# KiCad board version0.65.kicad_pcb
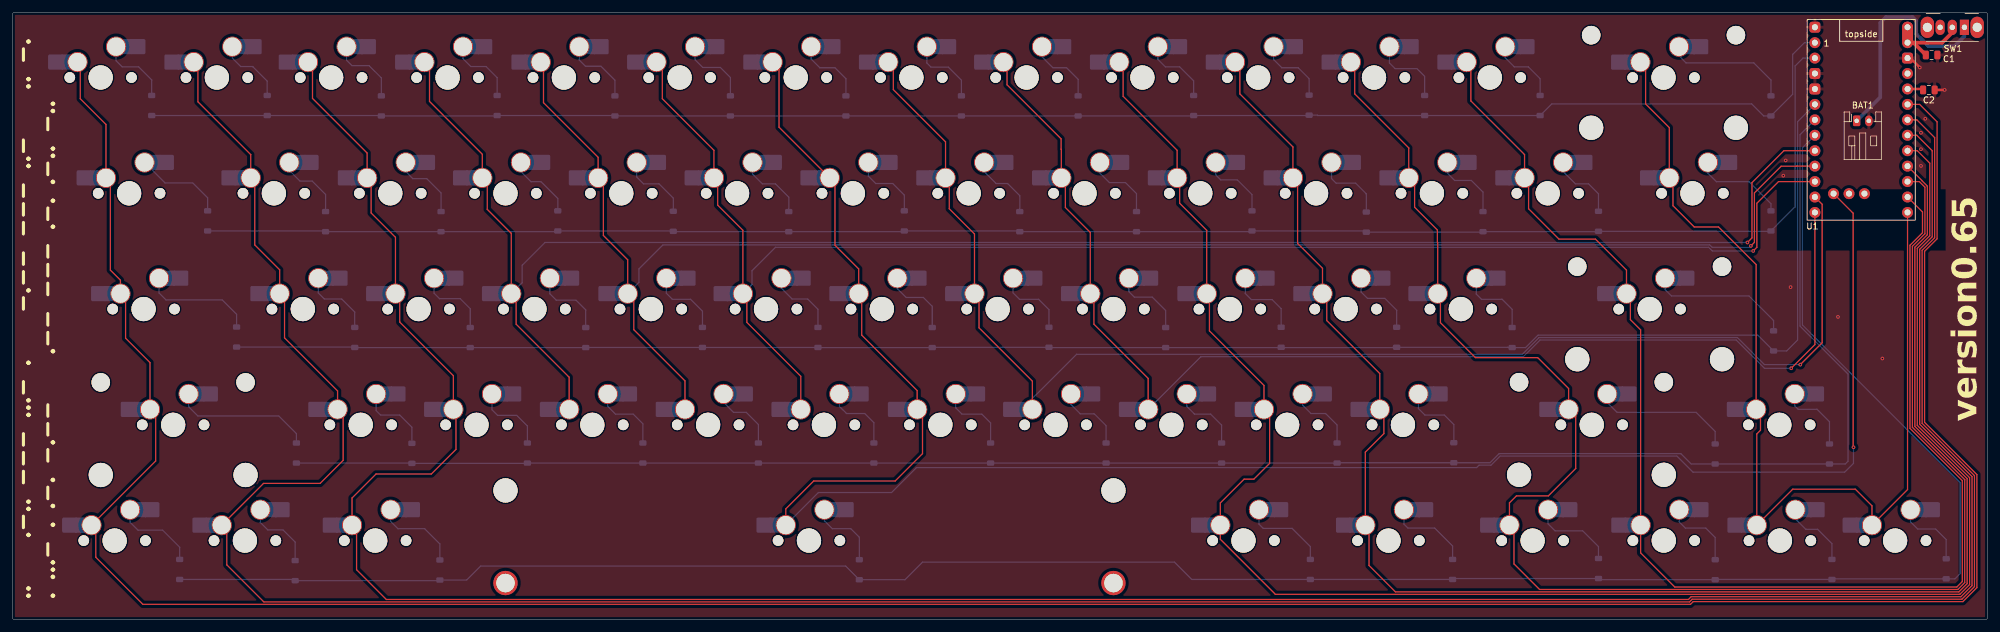
[diagram p0: board, top side]
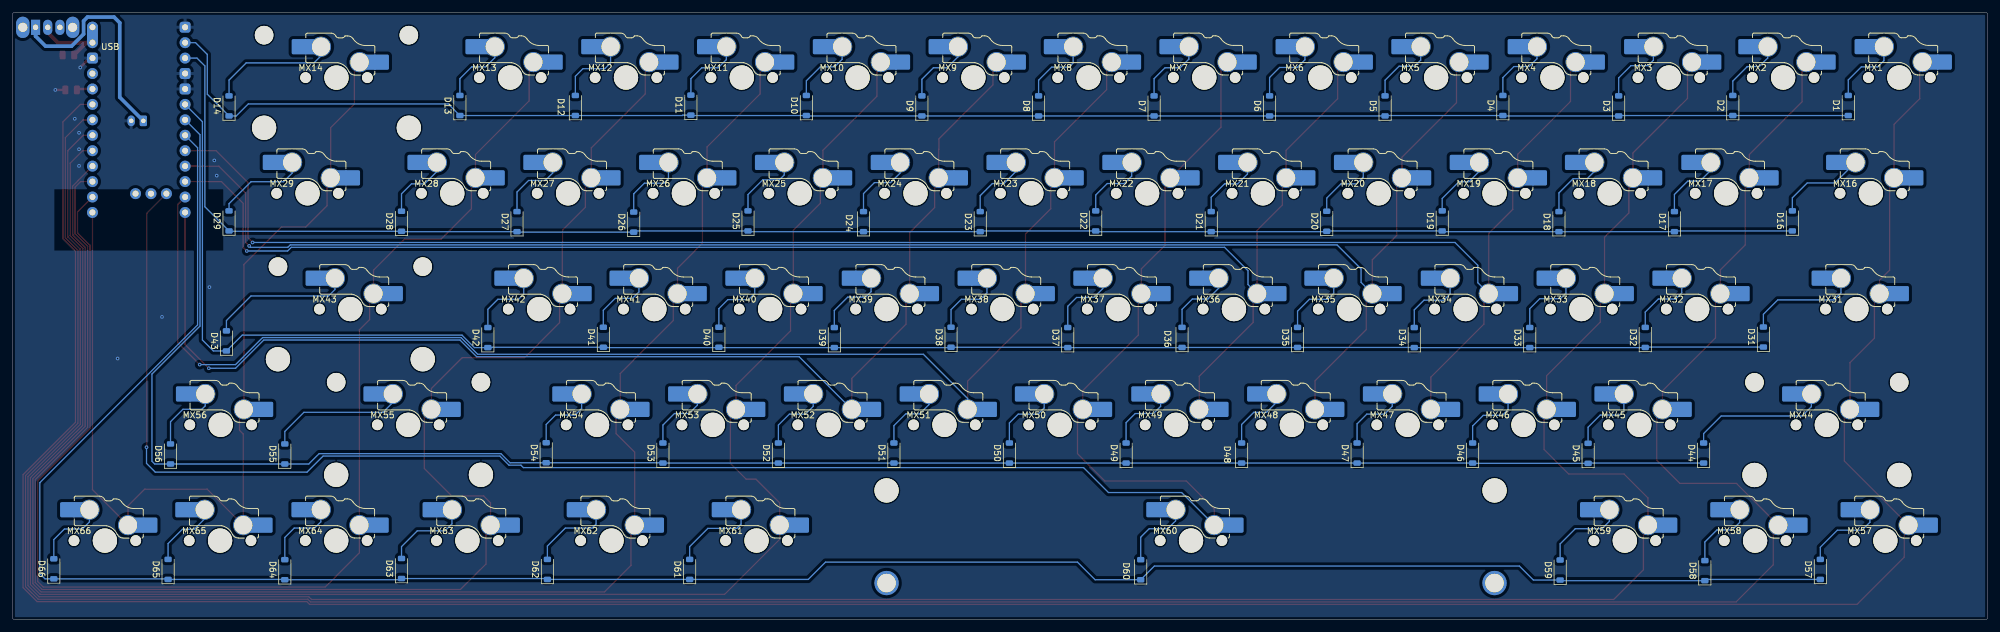
[diagram p1: board, bottom side, seen from below]

Outline 325 x 100 mm; copper layers: Top, Bottom. Coordinates in mm from the lower left corner of the outline.
Outline path: rectangle 0,100 325,0
Stack: Top 0.035mm / dielectric 1.51mm FR4 er 4.5 / Bottom 0.035mm

## Placement (name value [footprint] x y rotation side)
BAT1  GND  [JST_PH_S2B-PH-K_1x02_P2.00mm_Horizontal]  303.43 82.12 0 top
C1  10uF  [C_0805_2012Metric]  315.76 92.95 180 top
C2  100nF  [C_0805_2012Metric]  315.31 87.2 180 top
D1  1N4148W  [D_SOD-123]  22.96 84.64 90 bottom
D2  1N4148W  [D_SOD-123]  41.96 84.64 90 bottom
D3  1N4148W  [D_SOD-123]  60.73 84.57 90 bottom
D4  1N4148W  [D_SOD-123]  79.78 84.64 90 bottom
D5  1N4148W  [D_SOD-123]  99.16 84.57 90 bottom
D6  1N4148W  [D_SOD-123]  118.16 84.57 90 bottom
D7  1N4148W  [D_SOD-123]  137.16 84.57 90 bottom
D8  1N4148W  [D_SOD-123]  156.16 84.57 90 bottom
D9  1N4148W  [D_SOD-123]  175.36 84.57 90 bottom
D10  1N4148W  [D_SOD-123]  194.36 84.64 90 bottom
D11  1N4148W  [D_SOD-123]  213.36 84.7 90 bottom
D12  1N4148W  [D_SOD-123]  232.36 84.64 90 bottom
D13  1N4148W  [D_SOD-123]  251.36 84.64 90 bottom
D14  1N4148W  [D_SOD-123]  289.33 84.57 90 bottom
D16  1N4148W  [D_SOD-123]  32.16 65.65 90 bottom
D17  1N4148W  [D_SOD-123]  51.56 65.52 90 bottom
D18  1N4148W  [D_SOD-123]  70.56 65.52 90 bottom
D19  1N4148W  [D_SOD-123]  89.76 65.65 90 bottom
D20  1N4148W  [D_SOD-123]  108.76 65.59 90 bottom
D21  1N4148W  [D_SOD-123]  127.76 65.52 90 bottom
D22  1N4148W  [D_SOD-123]  146.76 65.65 90 bottom
D23  1N4148W  [D_SOD-123]  165.76 65.52 90 bottom
D24  1N4148W  [D_SOD-123]  184.96 65.52 90 bottom
D25  1N4148W  [D_SOD-123]  203.96 65.65 90 bottom
D26  1N4148W  [D_SOD-123]  222.76 65.45 90 bottom
D27  1N4148W  [D_SOD-123]  241.96 65.52 90 bottom
D28  1N4148W  [D_SOD-123]  260.96 65.59 90 bottom
D29  1N4148W  [D_SOD-123]  289.33 65.65 90 bottom
D31  1N4148W  [D_SOD-123]  36.92 46.54 90 bottom
D32  1N4148W  [D_SOD-123]  56.36 46.47 90 bottom
D33  1N4148W  [D_SOD-123]  75.36 46.45 90 bottom
D34  1N4148W  [D_SOD-123]  94.36 46.45 90 bottom
D35  1N4148W  [D_SOD-123]  113.56 46.47 90 bottom
D36  1N4148W  [D_SOD-123]  132.56 46.47 90 bottom
D37  1N4148W  [D_SOD-123]  151.36 46.45 90 bottom
D38  1N4148W  [D_SOD-123]  170.56 46.5 90 bottom
D39  1N4148W  [D_SOD-123]  189.76 46.45 90 bottom
D40  1N4148W  [D_SOD-123]  208.76 46.5 90 bottom
D41  1N4148W  [D_SOD-123]  227.76 46.5 90 bottom
D42  1N4148W  [D_SOD-123]  246.76 46.45 90 bottom
D43  1N4148W  [D_SOD-123]  289.76 45.9 90 bottom
D44  1N4148W  [D_SOD-123]  46.76 27.45 90 bottom
D45  1N4148W  [D_SOD-123]  65.76 27.4 90 bottom
D46  1N4148W  [D_SOD-123]  84.76 27.45 90 bottom
D47  1N4148W  [D_SOD-123]  103.76 27.45 90 bottom
D48  1N4148W  [D_SOD-123]  122.76 27.45 90 bottom
D49  1N4148W  [D_SOD-123]  141.76 27.45 90 bottom
D50  1N4148W  [D_SOD-123]  160.96 27.45 90 bottom
D51  1N4148W  [D_SOD-123]  179.96 27.45 90 bottom
D52  1N4148W  [D_SOD-123]  198.96 27.45 90 bottom
D53  1N4148W  [D_SOD-123]  217.96 27.45 90 bottom
D54  1N4148W  [D_SOD-123]  237.16 27.5 90 bottom
D55  1N4148W  [D_SOD-123]  280.16 27.3 90 bottom
D56  1N4148W  [D_SOD-123]  298.96 27.3 90 bottom
D57  1N4148W  [D_SOD-123]  27.56 8.3 90 bottom
D58  1N4148W  [D_SOD-123]  46.56 8.1 90 bottom
D59  1N4148W  [D_SOD-123]  70.36 8.2 90 bottom
D60  1N4148W  [D_SOD-123]  139.36 8.25 90 bottom
D61  1N4148W  [D_SOD-123]  213.56 8.3 90 bottom
D62  1N4148W  [D_SOD-123]  236.96 8.3 90 bottom
D63  1N4148W  [D_SOD-123]  260.96 8.45 90 bottom
D64  1N4148W  [D_SOD-123]  280.16 8.25 90 bottom
D65  1N4148W  [D_SOD-123]  299.36 8.3 90 bottom
D66  1N4148W  [D_SOD-123]  318.16 8.4 90 bottom
MX1  MX_SW_HS  [SW_MX_HS_KS-2P02B01-01_1u]  14.56 89.25 180 bottom
MX2  MX_SW_HS  [SW_MX_HS_KS-2P02B01-01_1u]  33.68 89.24 180 bottom
MX3  MX_SW_HS  [SW_MX_HS_KS-2P02B01-01_1u]  52.48 89.24 180 bottom
MX4  MX_SW_HS  [SW_MX_HS_KS-2P02B01-01_1u]  71.63 89.24 180 bottom
MX5  MX_SW_HS  [SW_MX_HS_KS-2P02B01-01_1u]  90.76 89.24 180 bottom
MX6  MX_SW_HS  [SW_MX_HS_KS-2P02B01-01_1u]  109.8 89.24 180 bottom
MX7  MX_SW_HS  [SW_MX_HS_KS-2P02B01-01_1u]  128.9 89.24 180 bottom
MX8  MX_SW_HS  [SW_MX_HS_KS-2P02B01-01_1u]  147.93 89.24 180 bottom
MX9  MX_SW_HS  [SW_MX_HS_KS-2P02B01-01_1u]  166.88 89.24 180 bottom
MX10  MX_SW_HS  [SW_MX_HS_KS-2P02B01-01_1u]  185.93 89.24 180 bottom
MX11  MX_SW_HS  [SW_MX_HS_KS-2P02B01-01_1u]  204.98 89.24 180 bottom
MX12  MX_SW_HS  [SW_MX_HS_KS-2P02B01-01_1u]  224.03 89.24 180 bottom
MX13  MX_SW_HS  [SW_MX_HS_KS-2P02B01-01_1u]  243.08 89.24 180 bottom
MX14  MX_SW_HS  [SW_MX_HS_KS-2P02B01-01_1u]  271.66 89.23 180 bottom
MX16  MX_SW_HS  [SW_MX_HS_KS-2P02B01-01_1.5u]  19.24 70.19 180 bottom
MX17  MX_SW_HS  [SW_MX_HS_KS-2P02B01-01_1u]  43.05 70.19 180 bottom
MX18  MX_SW_HS  [SW_MX_HS_KS-2P02B01-01_1u]  62.2 70.19 180 bottom
MX19  MX_SW_HS  [SW_MX_HS_KS-2P02B01-01_1u]  81.15 70.19 180 bottom
MX20  MX_SW_HS  [SW_MX_HS_KS-2P02B01-01_1u]  100.2 70.19 180 bottom
MX21  MX_SW_HS  [SW_MX_HS_KS-2P02B01-01_1u]  119.25 70.19 180 bottom
MX22  MX_SW_HS  [SW_MX_HS_KS-2P02B01-01_1u]  138.3 70.19 180 bottom
MX23  MX_SW_HS  [SW_MX_HS_KS-2P02B01-01_1u]  157.35 70.19 180 bottom
MX24  MX_SW_HS  [SW_MX_HS_KS-2P02B01-01_1u]  176.4 70.19 180 bottom
MX25  MX_SW_HS  [SW_MX_HS_KS-2P02B01-01_1u]  195.45 70.19 180 bottom
MX26  MX_SW_HS  [SW_MX_HS_KS-2P02B01-01_1u]  214.5 70.19 180 bottom
MX27  MX_SW_HS  [SW_MX_HS_KS-2P02B01-01_1u]  233.55 70.19 180 bottom
MX28  MX_SW_HS  [SW_MX_HS_KS-2P02B01-01_1u]  252.6 70.19 180 bottom
MX29  MX_SW_HS  [SW_MX_HS_KS-2P02B01-01_1.5u]  276.42 70.19 180 bottom
MX31  MX_SW_HS  [SW_MX_HS_KS-2P02B01-01_1.75u]  21.62 51.14 180 bottom
MX32  MX_SW_HS  [SW_MX_HS_KS-2P02B01-01_1u]  47.82 51.14 180 bottom
MX33  MX_SW_HS  [SW_MX_HS_KS-2P02B01-01_1u]  66.87 51.14 180 bottom
MX34  MX_SW_HS  [SW_MX_HS_KS-2P02B01-01_1u]  85.92 51.14 180 bottom
MX35  MX_SW_HS  [SW_MX_HS_KS-2P02B01-01_1u]  105.07 51.14 180 bottom
MX36  MX_SW_HS  [SW_MX_HS_KS-2P02B01-01_1u]  124.02 51.14 180 bottom
MX37  MX_SW_HS  [SW_MX_HS_KS-2P02B01-01_1u]  143.07 51.14 180 bottom
MX38  MX_SW_HS  [SW_MX_HS_KS-2P02B01-01_1u]  162.12 51.14 180 bottom
MX39  MX_SW_HS  [SW_MX_HS_KS-2P02B01-01_1u]  181.17 51.14 180 bottom
MX40  MX_SW_HS  [SW_MX_HS_KS-2P02B01-01_1u]  200.32 51.14 180 bottom
MX41  MX_SW_HS  [SW_MX_HS_KS-2P02B01-01_1u]  219.37 51.14 180 bottom
MX42  MX_SW_HS  [SW_MX_HS_KS-2P02B01-01_1u]  238.32 51.14 180 bottom
MX43  MX_SW_HS  [SW_MX_HS_KS-2P02B01-01_1u]  269.37 51.14 180 bottom
MX44  MX_SW_HS  [SW_MX_HS_KS-2P02B01-01_1u]  26.49 32.09 180 bottom
MX45  MX_SW_HS  [SW_MX_HS_KS-2P02B01-01_1u]  57.34 32.09 180 bottom
MX46  MX_SW_HS  [SW_MX_HS_KS-2P02B01-01_1u]  76.39 32.09 180 bottom
MX47  MX_SW_HS  [SW_MX_HS_KS-2P02B01-01_1u]  95.44 32.09 180 bottom
MX48  MX_SW_HS  [SW_MX_HS_KS-2P02B01-01_1u]  114.49 32.09 180 bottom
MX49  MX_SW_HS  [SW_MX_HS_KS-2P02B01-01_1u]  133.54 32.09 180 bottom
MX50  MX_SW_HS  [SW_MX_HS_KS-2P02B01-01_1u]  152.69 32.09 180 bottom
MX51  MX_SW_HS  [SW_MX_HS_KS-2P02B01-01_1u]  171.64 32.09 180 bottom
MX52  MX_SW_HS  [SW_MX_HS_KS-2P02B01-01_1u]  190.69 32.09 180 bottom
MX53  MX_SW_HS  [SW_MX_HS_KS-2P02B01-01_1u]  209.74 32.09 180 bottom
MX54  MX_SW_HS  [SW_MX_HS_KS-2P02B01-01_1u]  228.79 32.09 180 bottom
MX55  MX_SW_HS  [SW_MX_HS_KS-2P02B01-01_1u]  259.85 32.09 180 bottom
MX56  MX_SW_HS  [SW_MX_HS_KS-2P02B01-01_1u]  290.7 32.09 180 bottom
MX57  MX_SW_HS  [SW_MX_HS_KS-2P02B01-01_1.25u]  16.86 13.04 180 bottom
MX58  MX_SW_HS  [SW_MX_HS_KS-2P02B01-01_1u]  38.29 13.04 180 bottom
MX59  MX_SW_HS  [SW_MX_HS_KS-2P02B01-01_1.25u]  59.72 13.04 180 bottom
MX60  MX_SW_HS  [SW_MX_HS_KS-2P02B01-01_1u]  131.08 13.05 180 bottom
MX61  MX_SW_HS  [SW_MX_HS_KS-2P02B01-01_1.25u]  202.56 13.05 180 bottom
MX62  MX_SW_HS  [SW_MX_HS_KS-2P02B01-01_1.25u]  226.41 13.04 180 bottom
MX63  MX_SW_HS  [SW_MX_HS_KS-2P02B01-01_1.25u]  250.12 13.04 180 bottom
MX64  MX_SW_HS  [SW_MX_HS_KS-2P02B01-01_1u]  271.7 13.05 180 bottom
MX65  MX_SW_HS  [SW_MX_HS_KS-2P02B01-01_1u]  290.8 13.04 180 bottom
MX66  MX_SW_HS  [SW_MX_HS_KS-2P02B01-01_1u]  309.75 13.04 180 bottom
S1  Space  [STAB_MX_P_6.25u]  131.16 13.04 0 bottom
S2  Backspace  [STAB_MX_2u]  271.66 89.23 0 top
S3  Enter  [STAB_MX_2.25u]  269.37 51.14 0 top
S4  Shift  [STAB_MX_2.25u]  26.49 32.09 0 top
S5  Shift  [STAB_MX_2.25u]  259.8 32.12 0 top
SW1  SW_SPDT  [SW_Slide_SPDT_Angled_CK_OS102011MA1Q]  321.16 97.5 180 top
U1  SuperMini nRF52840  [SuperMini_nRF52840_AH_USBup]  304.18 81.01 0 top

## Library data of the parts
BAT1 = -: Description: Generic connector, single row, 01x02, script generated; KiLib_Generator: connector/JST; ki_fp_filters: Connector*:*_1x??_*
C1 C2 = -: Description: Unpolarized capacitor; KiLib_Generator: SMD_2terminal_chip_molded; ki_fp_filters: C_*
D1-D14 D16-D29 D31-D66 = -: Datasheet: https://www.vishay.com/docs/85748/1n4148w.pdf; Description: 75V 0.15A Fast Switching Diode, SOD-123; Sim.Device: D; Sim.Pins: 1=K 2=A; ki_fp_filters: D*SOD?123*
MX1-MX14 MX16-MX29 MX31-MX66 = -: Description: Push button switch, normally open, two pins, 45° tilted, Gateron KS-2P02B01-01 for Cherry MX style switches
S1-S5 = -: Description: Cherry MX-style stabilizer
SW1 = -: Description: Switch, single pole double throw
U1 = -: Datasheet: https://wiki.icbbuy.com/doku.php?id=developmentboard:nrf52840; Description: Symbol for an nicekeyboards nice!nano

## Footprints (pads in the part's own frame, mm; a bottom-side part is the same pattern mirrored in y, then rotated)
C_0805_2012Metric
  rrect 1x1.45 smd: 1(-0.95,0) 2(0.95,0)
D_SOD-123
  rrect 0.9x1.2 smd: 1(-1.65,0) 2(1.65,0)
JST_PH_S2B-PH-K_1x02_P2.00mm_Horizontal
  rrect 1.2x1.75 hole 0.75: 1(0,0)
  oval 1.2x1.75 hole 0.75: 2(2,0)
STAB_MX_2.25u
  round 3.048 hole 3.048 unplated: (-11.906,6.985) (11.906,6.985)
  round 3.988 hole 3.988 unplated: (-11.906,-8.255) (11.906,-8.255)
STAB_MX_2u
  round 3.048 hole 3.048 unplated: (-11.906,6.985) (11.906,6.985)
  round 3.988 hole 3.988 unplated: (-11.906,-8.255) (11.906,-8.255)
STAB_MX_P_6.25u
  round 3.988 hole 3.988 unplated: (-50.006,-8.255) (50.006,-8.255)
  round 4 hole 3.048: (-50.006,6.985) (50.006,6.985)
SuperMini_nRF52840_AH_USBup
  round 1.8 hole 1: 1(-7.62,13.97) 2(-7.62,11.43) 5(-7.62,3.81) 6(-7.62,1.27) 7(-7.62,-1.27) 8(-7.62,-3.81) 9(-7.62,-6.35) 10(-7.62,-8.89) 11(-7.62,-11.43) 12(-7.62,-13.97) 15(7.62,8.89) 16(7.62,6.35) 17(7.62,3.81) 18(7.62,1.27) 19(7.62,-1.27) 20(7.62,-3.81) 21(7.62,-6.35) 22(7.62,-8.89) 23(7.62,-11.43) 24(7.62,-13.97) 25(-4.547,-10.876) 26(-2.007,-10.876) 27(0.533,-10.876) 29(7.62,16.51)
  rrect 1.8x1.8 hole 1: 3(-7.62,8.89) 4(-7.62,6.35) 14(7.62,11.43) 28(-7.62,16.51)
  oval 1.8x4.34 hole 1: 13(7.62,13.97)
SW_MX_HS_KS-2P02B01-01_1.5u
  round 1.75 hole 1.75 unplated: (-5.08,0) (5.08,0)
  round 3.988 hole 3.988 unplated: (0,0)
  round 3.3 hole 3: 1(3.81,2.54) 2(-2.54,5.08)
  rect 1.65x2.5 smd: 1(5.635,2.54) 2(-4.34,5.08)
  rrect 2.55x2.5 smd: 1(7.36,2.54) 2(-6.09,5.08)
SW_MX_HS_KS-2P02B01-01_1.25u
  round 1.75 hole 1.75 unplated: (-5.08,0) (5.08,0)
  round 3.988 hole 3.988 unplated: (0,0)
  round 3.3 hole 3: 1(3.81,2.54) 2(-2.54,5.08)
  rect 1.65x2.5 smd: 1(5.635,2.54) 2(-4.34,5.08)
  rrect 2.55x2.5 smd: 1(7.36,2.54) 2(-6.09,5.08)
SW_MX_HS_KS-2P02B01-01_1.75u
  round 1.75 hole 1.75 unplated: (-5.08,0) (5.08,0)
  round 3.988 hole 3.988 unplated: (0,0)
  round 3.3 hole 3: 1(3.81,2.54) 2(-2.54,5.08)
  rect 1.65x2.5 smd: 1(5.635,2.54) 2(-4.34,5.08)
  rrect 2.55x2.5 smd: 1(7.36,2.54) 2(-6.09,5.08)
SW_MX_HS_KS-2P02B01-01_1u
  round 1.75 hole 1.75 unplated: (-5.08,0) (5.08,0)
  round 3.988 hole 3.988 unplated: (0,0)
  round 3.3 hole 3: 1(3.81,2.54) 2(-2.54,5.08)
  rect 1.65x2.5 smd: 1(5.635,2.54) 2(-4.34,5.08)
  rrect 2.55x2.5 smd: 1(7.36,2.54) 2(-6.09,5.08)
SW_Slide_SPDT_Angled_CK_OS102011MA1Q
  oval 2.2x3.5 hole 1.5: (-2.1,0) (6.1,0)
  rect 1.5x2.5 hole 0.9: 1(0,0)
  oval 1.5x2.5 hole 0.9: 2(2,0) 3(4,0)

## Nets
/VBAT_SW: C1.2 SW1.2 U1.13 U1.29
GND: BAT1.2 C1.1 C2.1 U1.3 U1.4 U1.14 U1.28
+BATT: BAT1.1 SW1.1
COL0: MX1.1 MX16.1 MX31.1 MX44.1 MX57.1 U1.17
COL1: MX2.1 MX17.1 MX32.1 MX45.1 MX58.1 U1.18
COL2: MX3.1 MX18.1 MX33.1 MX46.1 MX59.1 U1.19
COL3: MX4.1 MX19.1 MX34.1 MX47.1 U1.8
COL4: MX5.1 MX20.1 MX35.1 MX48.1 U1.9
COL5: MX6.1 MX21.1 MX36.1 MX49.1 U1.10
COL6: MX7.1 MX22.1 MX37.1 MX50.1 MX60.1 U1.25
COL7: MX8.1 MX23.1 MX38.1 MX51.1 U1.11
COL8: MX9.1 MX24.1 MX39.1 MX52.1 U1.12
COL9: MX10.1 MX25.1 MX40.1 MX53.1 MX61.1 U1.20
COL10: MX11.1 MX26.1 MX41.1 MX54.1 MX62.1 U1.21
COL11: MX12.1 MX27.1 MX42.1 MX55.1 MX63.1 U1.22
COL12: MX13.1 MX28.1 MX43.1 MX64.1 U1.23
COL13: MX14.1 MX29.1 MX56.1 MX65.1 MX66.1 U1.24
ROW0: D1.1 D2.1 D3.1 D4.1 D5.1 D6.1 D7.1 D8.1 D9.1 D10.1 D11.1 D12.1 D13.1 D14.1 U1.1
ROW1: D16.1 D17.1 D18.1 D19.1 D20.1 D21.1 D22.1 D23.1 D24.1 D25.1 D26.1 D27.1 D28.1 D29.1 U1.2
ROW2: D31.1 D32.1 D33.1 D34.1 D35.1 D36.1 D37.1 D38.1 D39.1 D40.1 D41.1 D42.1 D43.1 U1.5
ROW3: D44.1 D45.1 D46.1 D47.1 D48.1 D49.1 D50.1 D51.1 D52.1 D53.1 D54.1 D55.1 D56.1 U1.6
ROW4: D57.1 D58.1 D59.1 D60.1 D61.1 D62.1 D63.1 D64.1 D65.1 D66.1 U1.7
Net-(D1-A): D1.2 MX1.2
Net-(D2-A): D2.2 MX2.2
Net-(D3-A): D3.2 MX3.2
Net-(D4-A): D4.2 MX4.2
Net-(D5-A): D5.2 MX5.2
Net-(D6-A): D6.2 MX6.2
Net-(D7-A): D7.2 MX7.2
Net-(D8-A): D8.2 MX8.2
Net-(D9-A): D9.2 MX9.2
Net-(D10-A): D10.2 MX10.2
Net-(D11-A): D11.2 MX11.2
Net-(D12-A): D12.2 MX12.2
Net-(D13-A): D13.2 MX13.2
Net-(D14-A): D14.2 MX14.2
Net-(D16-A): D16.2 MX16.2
Net-(D17-A): D17.2 MX17.2
Net-(D18-A): D18.2 MX18.2
Net-(D19-A): D19.2 MX19.2
Net-(D20-A): D20.2 MX20.2
Net-(D21-A): D21.2 MX21.2
Net-(D22-A): D22.2 MX22.2
Net-(D23-A): D23.2 MX23.2
Net-(D24-A): D24.2 MX24.2
Net-(D25-A): D25.2 MX25.2
Net-(D26-A): D26.2 MX26.2
Net-(D27-A): D27.2 MX27.2
Net-(D28-A): D28.2 MX28.2
Net-(D29-A): D29.2 MX29.2
Net-(D31-A): D31.2 MX31.2
Net-(D32-A): D32.2 MX32.2
Net-(D33-A): D33.2 MX33.2
Net-(D34-A): D34.2 MX34.2
Net-(D35-A): D35.2 MX35.2
Net-(D36-A): D36.2 MX36.2
Net-(D37-A): D37.2 MX37.2
Net-(D38-A): D38.2 MX38.2
Net-(D39-A): D39.2 MX39.2
Net-(D40-A): D40.2 MX40.2
Net-(D41-A): D41.2 MX41.2
Net-(D42-A): D42.2 MX42.2
Net-(D43-A): D43.2 MX43.2
Net-(D44-A): D44.2 MX44.2
Net-(D45-A): D45.2 MX45.2
Net-(D46-A): D46.2 MX46.2
Net-(D47-A): D47.2 MX47.2
Net-(D48-A): D48.2 MX48.2
Net-(D49-A): D49.2 MX49.2
Net-(D50-A): D50.2 MX50.2
Net-(D51-A): D51.2 MX51.2
Net-(D52-A): D52.2 MX52.2
Net-(D53-A): D53.2 MX53.2
Net-(D54-A): D54.2 MX54.2
Net-(D55-A): D55.2 MX55.2
Net-(D56-A): D56.2 MX56.2
Net-(D57-A): D57.2 MX57.2
Net-(D58-A): D58.2 MX58.2
Net-(D59-A): D59.2 MX59.2
Net-(D60-A): D60.2 MX60.2
Net-(D61-A): D61.2 MX61.2
Net-(D62-A): D62.2 MX62.2
Net-(D63-A): D63.2 MX63.2
Net-(D64-A): D64.2 MX64.2
Net-(D65-A): D65.2 MX65.2
Net-(D66-A): D66.2 MX66.2
Net-(U1-3V3): C2.2 U1.16

Pads without a net: SW1 3; U1 15 26 27

## Via types
v1: diameter 0.6, hole 0.3, Top to Bottom, 17 vias

## Routing (per net, layer and track width the routed paths; a pad name or vN(x,y) marks a point on that pad's centre or on a via; arc(x,y) is an arc through that point)
/VBAT_SW: length 15.3
  Top w0.6: U1.13 312.78,94.98 C1.2 ; U1.13 U1.29 ; U1.13 317.49,94.98 319.16,96.65 SW1.2
GND: length 4.3
  Top w0.4: v1(313.81,90.9) 312.27,92.44 U1.14 ; C2.1 v1(317.91,87.2)
  vias: v1(291.36,73.1) v1(291.76,75.6) v1(292.56,54.75) v1(300.36,49.85) v1(307.66,43) v1(314.01,80.15) v1(314.01,77.45) v1(314.01,74.7) v1(314.71,82.45)
+BATT: length 37.4
  Bottom w0.6: SW1.1 321.16,96.05 319.51,94.4 315.24,94.4 313.26,96.39 313.26,98.55 312.61,99.2 308.26,99.2 307.31,98.25 307.31,86 BAT1.1
COL0: length 492.4
  Top w0.2: U1.17 313.79,84.82 316.66,81.95 316.66,62.71 314.6,60.65 314.6,32.5 323.21,23.89 323.21,5.31 320.9,3 276.54,3 276.09,2.55 21.51,2.55 13.76,10.3 13.76,14.87 MX57.1 23.61,26.14 23.61,33.7 MX44.1 22.68,42.33 18.66,46.35 18.66,52.84 MX31.1 17.81,55.89 16.16,57.55 16.16,72 MX16.1 15.43,81.53 11.21,85.75 11.21,91.33 MX1.1
COL1: length 482
  Top w0.2: MX2.1 30.56,91.09 30.56,85.25 39.24,76.56 MX17.1 39.91,72.07 39.91,61.7 44.01,57.6 MX32.1 44.81,52.88 44.81,46.4 53.53,37.68 MX45.1 54.46,33.7 54.46,26.25 50.66,22.45 41.35,22.45 MX58.1 35.31,14.75 35.31,9.05 41.41,2.95 275.92,2.95 276.37,3.4 320.73,3.4 322.81,5.47 322.81,23.73 314.2,32.34 314.2,60.81 316.26,62.87 316.26,79.35 313.33,82.28 U1.18
COL2: length 456.2
  Top w0.2: U1.19 313.32,79.74 315.86,77.2 315.86,63.04 313.8,60.98 313.8,32.17 322.41,23.56 322.41,5.64 320.57,3.8 276.21,3.8 275.76,3.35 61.56,3.35 56.66,8.25 56.66,14.84 MX59.1 55.91,20.05 59.86,24 68.96,24 73.01,28.05 73.01,34.2 MX46.1 72.58,40.18 63.76,49 63.76,52.98 MX33.1 63.06,62.95 59.06,66.95 59.06,72.07 MX18.1 58.39,76.81 49.41,85.8 49.41,91.04 MX3.1
COL3: length 298.2
  Top w0.2: MX4.1 68.66,90.94 68.66,85.3 77.34,76.61 MX19.1 78.16,71.92 78.16,67.55 82.11,63.6 MX34.1 82.91,52.88 82.91,48.65 91.63,39.93 MX47.1 ; v1(285.46,62.1) 286.21,62.85 286.21,71.95 291.46,77.2 U1.8
  Bottom w0.2: v1(285.46,62.1) 87.66,62.1 83.91,58.35 83.91,55.48 MX34.1
COL4: length 277.4
  Top w0.2: MX5.1 87.41,91.33 87.41,85.1 96.39,76.11 MX20.1 97.26,71.87 97.26,63.25 101.26,59.25 MX35.1 102.26,52.68 102.26,47.75 110.68,39.33 MX48.1 ; U1.9 293.47,74.66 293.46,74.65 291.01,74.65 286.61,70.25 286.61,62.12 v1(286.02,61.53)
  Bottom w0.2: v1(286.02,61.53) 285.79,61.3 279.66,61.3 279.26,61.7 107.06,61.7 103.11,57.75 103.11,55.53 MX35.1
COL5: length 257
  Top w0.2: v1(286.41,60.7) 287.01,61.3 287.01,68.55 290.58,72.12 U1.10 ; MX49.1 129.73,40.08 120.86,48.95 120.86,53.03 MX36.1 120.21,64.1 116.06,68.25 116.06,72.12 MX21.1 115.44,77.26 106.96,85.75 106.96,90.82 MX6.1
  Bottom w0.2: MX36.1 121.71,55.18 121.71,57.45 125.56,61.3 279.09,61.3 279.69,60.7 v1(286.41,60.7)
COL6: length 331.4
  Top w0.2: U1.25 302.86,66.91 302.86,28.45 v1(302.91,28.4) ; MX60.1 127.27,18.26 131.86,22.85 145.26,22.85 149.76,27.35 149.76,33.76 MX50.1 148.88,37.72 139.76,46.85 139.76,53.18 MX37.1 139.26,57.75 135.36,61.65 135.36,71.87 MX22.1 126.16,81.07 126.16,90.72 MX7.1
  Bottom w0.2: v1(302.91,28.4) 302.91,25.75 301.46,24.3 276.51,24.3 273.86,26.95 244.77,26.95 243.27,25.45 241.31,25.45 240.91,25.05 148.76,25.05 144.66,20.95 132.63,20.95 MX60.1
COL7: length 230.7
  Top w0.2: v1(294.16,42) 297.76,45.6 297.76,68.38 U1.11 ; MX51.1 167.83,39.28 159.06,48.05 159.06,52.93 MX38.1 158.31,63.5 154.16,67.65 154.16,72.12 MX23.1 153.54,78.66 144.96,87.25 144.96,90.94 MX8.1
  Bottom w0.2: MX51.1 167.83,36.42 175.11,43.7 248.42,43.7 251.17,46.45 283.81,46.45 288.26,42 v1(294.16,42)
COL8: length 206.7
  Top w0.2: v1(292.66,41.4) 296.56,45.3 U1.12 ; MX52.1 186.88,39.73 177.96,48.65 177.96,53.08 MX39.1 177.36,63.75 173.26,67.85 173.26,72.07 MX24.1 172.59,77.41 172.56,77.45 172.56,79.15 163.66,88.05 163.66,91.19 MX9.1
  Bottom w0.2: MX52.1 195.55,43.3 248.59,43.3 251.34,46.05 283.61,46.05 288.26,41.4 v1(292.66,41.4)
COL9: length 299
  Top w0.2: MX10.1 182.76,91.14 182.76,86.15 191.64,77.26 MX25.1 192.06,72.32 192.06,68.55 196.51,64.1 MX40.1 196.96,53.23 196.96,47.55 205.93,38.58 MX53.1 206.86,33.7 206.86,25.75 204.26,23.15 202.66,23.15 198.75,19.24 MX61.1 198.75,13.26 207.8,4.2 320.4,4.2 322.01,5.8 322.01,23.4 313.4,32.01 313.4,61.14 315.46,63.2 315.46,75.15 313.41,77.2 U1.20
COL10: length 269.7
  Top w0.2: MX11.1 201.96,90.99 201.96,86.55 210.69,77.81 MX26.1 211.46,71.97 211.46,61.95 215.56,57.85 MX41.1 216.26,52.98 216.26,49.25 224.98,40.53 MX54.1 225.66,33.95 225.66,30.65 222.6,27.59 MX62.1 223.21,14.97 223.21,8.95 227.56,4.6 320.24,4.6 321.61,5.97 321.61,23.23 313,31.84 313,61.31 315.06,63.37 315.06,71.37 314.14,72.29 314.14,72.32 U1.21
COL11: length 260.9
  Top w0.2: U1.22 313.74,72.12 314.66,71.2 314.66,63.53 312.6,61.47 312.6,31.68 321.21,23.07 321.21,6.13 320.07,5 251.26,5 247.06,9.2 247.06,14.83 MX63.1 246.31,19.25 247.46,20.4 252.71,20.4 257.21,24.9 257.21,33.46 MX55.1 256.04,38.07 250.96,43.15 240.71,43.15 234.96,48.9 234.96,53.23 MX42.1 234.51,62.1 234.46,62.15 234.46,64.15 230.71,67.9 230.71,71.77 MX27.1 229.74,77.66 220.86,86.55 220.86,91.14 MX12.1
COL12: length 221.2
  Top w0.2: MX13.1 239.96,91.09 239.96,85.4 248.79,76.56 MX28.1 249.46,72.07 249.46,67.65 254.46,62.65 260.46,62.65 265.56,57.54 MX43.1 266.21,53.04 266.21,49.4 267.89,47.72 MX64.1 ; MX64.1 267.89,11.02 273.51,5.4 319.91,5.4 320.81,6.3 320.81,22.9 312.2,31.51 312.2,61.64 314.26,63.7 314.26,67.12 U1.23 ; MX64.1 268.41,15.07
COL13: length 166.6
  Top w0.2: U1.24 311.8,21.43 MX66.1 305.94,18.76 303.21,21.5 292.91,21.5 MX65.1 286.99,30.59 287.61,31.2 287.61,33.92 MX56.1 286.89,58.46 280.71,64.65 276.71,64.65 273.21,68.15 273.21,72.13 MX29.1 272.61,81 268.71,84.9 268.71,90.91 MX14.1
ROW0: length 284.2
  Bottom w0.2: D1.1 D2.1 60.67,82.99 60.73,82.92 79.72,82.92 D4.1 99.09,82.99 99.16,82.92 194.29,82.92 D10.1 213.29,82.99 D11.1 214.71,83.05 214.77,82.99 D12.1 D13.1 253.27,84.9 286.16,84.9 288.13,82.92 289.33,82.92 292.91,86.5 292.91,93.05 294.84,94.98 U1.1
ROW1: length 290.2
  Bottom w0.2: U1.2 294.6,92.44 293.31,91.15 293.31,67.97 D29.1 289.27,63.94 D28.1 260.89,63.87 D27.1 241.88,63.8 D26.1 222.56,64 D25.1 203.83,63.87 D24.1 D23.1 165.63,64 D22.1 146.63,63.87 D21.1 108.82,63.87 D20.1 108.69,64 D19.1 89.63,63.87 D18.1 D17.1 51.43,64 D16.1
ROW2: length 299.5
  Bottom w0.2: U1.5 293.71,81.97 293.71,46.05 291.91,44.25 D43.1 287.16,46.85 251.01,46.85 248.96,44.8 D42.1 246.11,44.8 246.06,44.85 D41.1 227.11,44.85 227.06,44.8 D39.1 170.61,44.8 D38.1 151.41,44.85 D37.1 132.58,44.8 132.56,44.82 94.38,44.82 D34.1 D33.1 56.38,44.8 56.29,44.89 D31.1
ROW3: length 317.3
  Bottom w0.2: D44.1 65.71,25.8 D45.1 84.71,25.75 D46.1 D47.1 D48.1 D49.1 D50.1 D51.1 D52.1 D53.1 218.06,25.8 218.11,25.85 D54.1 243.11,25.85 244.61,27.35 274.51,27.35 276.21,25.65 D55.1 D56.1 301.56,25.65 302.01,26.1 302.01,40.45 294.11,48.35 294.11,79.83 U1.6
ROW4: length 381.6
  Bottom w0.2: U1.7 294.51,77.69 294.51,48.52 320.46,22.57 320.46,7.6 319.61,6.75 D66.1 299.46,6.75 D65.1 280.21,6.65 D64.1 261.16,6.6 D63.1 237.11,6.8 D62.1 D61.1 194.06,6.65 191.21,9.5 149.76,9.5 146.86,6.6 D60.1 137.11,8.85 77.06,8.85 74.76,6.55 D59.1 70.26,6.45 D58.1 46.36,6.65 D57.1
Net-(D1-A): length 12.1
  Bottom w0.2: MX1.2 17.1,92.01 18.11,91 20.81,91 22.96,88.85 D1.2
Net-(D2-A): length 11.6
  Bottom w0.2: D2.2 41.96,88.65 39.61,91 39.61,91.05 37.61,91.05 36.22,92.44 MX2.2
Net-(D3-A): length 12.1
  Bottom w0.2: D3.2 60.73,89.17 58.71,91.2 55.91,91.2 55.02,92.09 MX3.2
Net-(D4-A): length 11.8
  Bottom w0.2: D4.2 79.78,89.22 77.96,91.05 75.46,91.05 74.17,92.34 MX4.2
Net-(D5-A): length 12
  Bottom w0.2: D5.2 99.16,88.8 96.86,91.1 94.31,91.1 93.3,92.1 MX5.2
Net-(D6-A): length 12.2
  Bottom w0.2: D6.2 118.16,89.25 116.51,90.9 113.61,90.9 112.34,92.16 MX6.2
Net-(D7-A): length 11.9
  Bottom w0.2: MX7.2 131.44,92.26 132.86,90.85 135.36,90.85 137.16,89.05 D7.2
Net-(D8-A): length 12.1
  Bottom w0.2: D8.2 156.16,88.8 154.01,90.95 151.16,90.95 150.47,91.64 MX8.2
Net-(D9-A): length 11.9
  Bottom w0.2: MX9.2 169.42,92.64 171.21,90.85 173.46,90.85 175.36,88.95 D9.2
Net-(D10-A): length 11.8
  Bottom w0.2: D10.2 194.36,88.7 192.06,91 189.71,91 188.47,92.24 MX10.2
Net-(D11-A): length 12
  Bottom w0.2: D11.2 213.36,89.05 211.56,90.85 208.86,90.85 207.52,92.19 MX11.2
Net-(D12-A): length 12.5
  Bottom w0.2: MX12.2 226.57,91.64 227.51,90.7 231.11,90.7 232.36,89.45 D12.2
Net-(D13-A): length 11.8
  Bottom w0.2: D13.2 251.36,89.05 249.41,91 247.11,91 245.62,92.49 MX13.2
Net-(D14-A): length 20.9
  Bottom w0.2: MX14.2 274.2,92.81 275.36,91.65 286.51,91.65 289.33,88.82 D14.2
Net-(D16-A): length 14.9
  Bottom w0.2: D16.2 32.16,69.45 29.71,71.9 25.15,71.9 MX16.2
Net-(D17-A): length 11.7
  Bottom w0.2: D17.2 51.56,70 49.36,72.2 47.36,72.2 45.59,73.96 MX17.2
Net-(D18-A): length 11.9
  Bottom w0.2: MX18.2 64.74,73.76 65.91,72.6 68.21,72.6 70.56,70.25 D18.2
Net-(D19-A): length 11.4
  Bottom w0.2: D19.2 89.76,69.35 87.01,72.1 85.36,72.1 83.69,73.76 MX19.2
Net-(D20-A): length 12
  Bottom w0.2: MX20.2 102.74,72.86 103.86,71.75 106.41,71.75 108.76,69.4 D20.2
Net-(D21-A): length 11.8
  Bottom w0.2: D21.2 127.76,69.55 125.56,71.75 123.41,71.75 121.79,73.36 MX21.2
Net-(D22-A): length 12.1
  Bottom w0.2: D22.2 146.76,69.9 144.86,71.8 142.06,71.8 140.84,73.01 MX22.2
Net-(D23-A): length 11.6
  Bottom w0.2: MX23.2 159.89,73.76 161.86,71.8 163.76,71.8 165.76,69.8 D23.2
Net-(D24-A): length 12.1
  Bottom w0.2: D24.2 184.96,70.15 183.16,71.95 180.51,71.95 178.94,73.51 MX24.2
Net-(D25-A): length 12
  Bottom w0.2: D25.2 203.96,69.98 201.54,72.4 198.81,72.4 197.99,73.21 MX25.2
Net-(D26-A): length 12.4
  Bottom w0.2: MX26.2 217.04,72.61 217.81,71.85 221.01,71.85 222.76,70.1 D26.2
Net-(D27-A): length 12.1
  Bottom w0.2: D27.2 241.96,70.4 240.06,72.3 237.31,72.3 236.09,73.51 MX27.2
Net-(D28-A): length 11.7
  Bottom w0.2: MX28.2 255.14,73.76 257.16,71.75 259.31,71.75 260.96,70.1 D28.2
Net-(D29-A): length 15.4
  Bottom w0.2: MX29.2 278.96,73.5 280.36,72.1 285.71,72.1 289.33,68.47 D29.2
Net-(D31-A): length 18.7
  Bottom w0.2: 24.16,56.22 24.16,53.79 25.31,52.65 34.56,52.65 36.92,50.29 D31.2
Net-(D32-A): length 12.3
  Bottom w0.2: D32.2 56.36,50.65 54.21,52.8 51.36,52.8 50.36,53.8 MX32.2
Net-(D33-A): length 12.6
  Bottom w0.2: MX33.2 69.41,53.75 70.31,52.85 73.71,52.85 75.36,51.2 D33.2
Net-(D34-A): length 12.5
  Bottom w0.2: D34.2 94.36,51 92.76,52.6 89.51,52.6 88.46,53.65 MX34.2
Net-(D35-A): length 12.3
  Bottom w0.2: MX35.2 107.61,53.75 108.61,52.75 111.61,52.75 113.56,50.8 D35.2
Net-(D36-A): length 12.1
  Bottom w0.2: MX36.2 126.56,54.55 128.31,52.8 130.86,52.8 132.56,51.1 D36.2
Net-(D37-A): length 12.2
  Bottom w0.2: D37.2 151.36,51.6 149.91,53.05 147.06,53.05 145.61,54.5 MX37.2
Net-(D38-A): length 12.4
  Bottom w0.2: D38.2 170.56,51.05 168.86,52.75 165.71,52.75 164.66,53.8 MX38.2
Net-(D39-A): length 12.4
  Bottom w0.2: MX39.2 183.71,54 184.61,53.1 187.56,53.1 189.76,50.9 D39.2
Net-(D40-A): length 12.5
  Bottom w0.2: MX40.2 202.86,53.7 203.86,52.7 207.26,52.7 208.76,51.2 D40.2
Net-(D41-A): length 12.2
  Bottom w0.2: MX41.2 221.91,53.95 222.96,52.9 225.81,52.9 227.76,50.95 D41.2
Net-(D42-A): length 12.6
  Bottom w0.2: D42.2 246.76,51.1 245.11,52.75 241.71,52.75 240.86,53.6 MX42.2
Net-(D43-A): length 23.5
  Bottom w0.2: MX43.2 271.91,54.34 272.96,53.3 285.71,53.3 289.76,49.25 D43.2
Net-(D44-A): length 23.2
  Bottom w0.2: D44.2 46.76,30.65 43.86,33.55 30.56,33.55 29.03,35.08 MX44.2
Net-(D45-A): length 12.4
  Bottom w0.2: D45.2 65.76,31.7 63.76,33.7 60.61,33.7 59.88,34.43 MX45.2
Net-(D46-A): length 12.3
  Bottom w0.2: MX46.2 78.93,34.58 79.86,33.65 83.01,33.65 84.76,31.9 D46.2
Net-(D47-A): length 12.2
  Bottom w0.2: MX47.2 97.98,35.13 99.26,33.85 102.16,33.85 103.76,32.25 D47.2
Net-(D48-A): length 11.7
  Bottom w0.2: D48.2 122.76,32.15 120.76,34.15 118.66,34.15 117.03,35.78 MX48.2
Net-(D49-A): length 12.2
  Bottom w0.2: D49.2 141.76,32.45 140.26,33.95 137.26,33.95 136.08,35.13 MX49.2
Net-(D50-A): length 12.3
  Bottom w0.2: MX50.2 155.23,34.87 156.26,33.85 159.51,33.85 160.96,32.4 D50.2
Net-(D51-A): length 11.8
  Bottom w0.2: D51.2 179.96,31.95 178.01,33.9 175.71,33.9 174.18,35.43 MX51.2
Net-(D52-A): length 12
  Bottom w0.2: D52.2 198.96,32.05 197.16,33.85 194.51,33.85 193.23,35.13 MX52.2
Net-(D53-A): length 11.8
  Bottom w0.2: MX53.2 212.28,35.33 213.66,33.95 216.06,33.95 217.96,32.05 D53.2
Net-(D54-A): length 12.3
  Bottom w0.2: MX54.2 231.33,34.78 232.41,33.7 235.61,33.7 237.16,32.15 D54.2
Net-(D55-A): length 23.2
  Bottom w0.2: MX55.2 262.39,35.77 264.01,34.15 277.01,34.15 280.16,31 D55.2
Net-(D56-A): length 12.4
  Bottom w0.2: D56.2 298.96,32.6 296.91,34.65 293.81,34.65 293.24,35.21 MX56.2
Net-(D57-A): length 13.9
  Bottom w0.2: MX57.2 19.4,16.06 20.71,14.75 24.76,14.75 27.56,11.95 D57.2
Net-(D58-A): length 12.2
  Bottom w0.2: D58.2 46.56,12.8 44.56,14.8 42.06,14.8 40.83,16.03 MX58.2
Net-(D59-A): length 14.2
  Bottom w0.2: D59.2 70.36,12.5 67.86,15 63.46,15 62.26,16.19 MX59.2
Net-(D60-A): length 12.4
  Bottom w0.2: MX60.2 133.62,16.29 134.91,15 137.96,15 139.36,13.6 D60.2
Net-(D61-A): length 14.5
  Bottom w0.2: MX61.2 205.1,15.76 205.81,15.05 210.56,15.05 213.56,12.05 D61.2
Net-(D62-A): length 14.1
  Bottom w0.2: MX62.2 228.95,15.76 229.61,15.1 234.01,15.1 236.96,12.15 D62.2
Net-(D63-A): length 14.1
  Bottom w0.2: D63.2 260.96,12.05 258.36,14.65 253.81,14.65 252.66,15.8 MX63.2
Net-(D64-A): length 12.6
  Bottom w0.2: D64.2 280.16,13.55 278.61,15.1 275.26,15.1 274.24,16.12 MX64.2
Net-(D65-A): length 11.8
  Bottom w0.2: MX65.2 293.34,16.61 295.06,14.9 297.01,14.9 299.36,12.55 D65.2
Net-(D66-A): length 12.2
  Bottom w0.2: D66.2 318.16,13.2 316.41,14.95 313.46,14.95 312.29,16.11 MX66.2
Net-(U1-3V3): length 2.6
  Top w0.4: C2.2 314.2,87.36 U1.16

## Copper pours and planes (outline as drawn; the poured copper is in the pictures)
GND on Top, Bottom: 325.11,100.15 -0.49,100.5 -1.09,-0.15 325.71,-0.25 325.51,100.15

## Text on the board
F.Silkscreen: ..    .-.. --- ...- .    -.-- --- ..-    .. -. / . ...- . .-. -.--    .-- --- .-. .-.. -.. | version0.65
